# Altium PCB BG1094.PcbDoc (part 1 of 2) (continued)
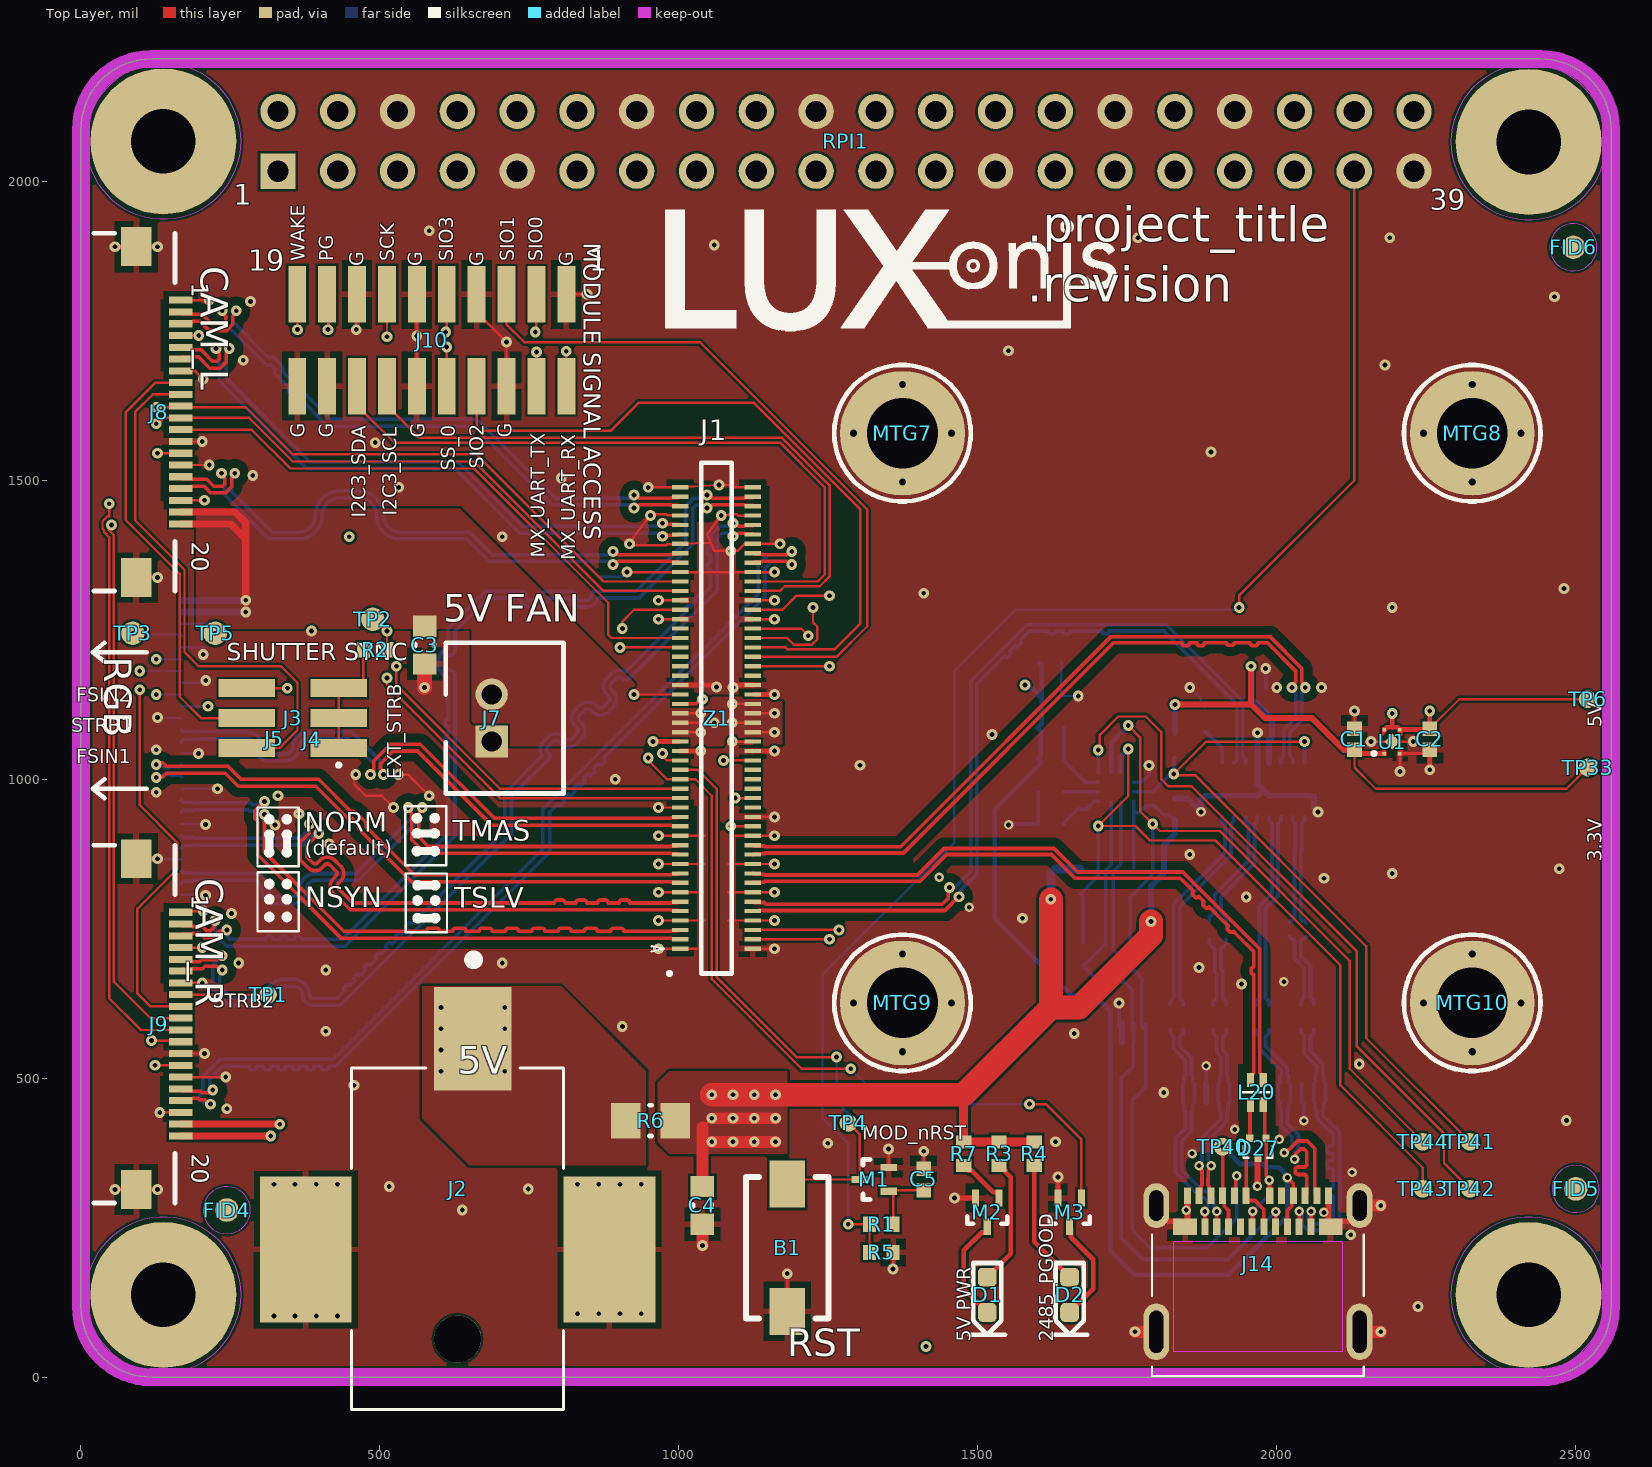
[diagram p0: Top Layer view]
## Components (designator, comment, footprint, x,y, rotation, side; value= is the part's Value field where it differs from the comment) (continued)
U1 "TLV707 LDO" DFN65P100X40-4L 2192.91,1062.99 r90 top
U61 "HD3SS3212RKSR" VQFN-20 1977.36,982.28 r270 bottom
U62 "TUSB321RWBR" X2QFN-12 1730.9,987.2 r0 bottom
Z1 "Layout guide" BW1099_FOOTPRINT 1062.99,1102.36 r180 top locked

## Footprints (in the part's own frame and the unit in brackets; to place one, negate y for a bottom-side part, rotate by r counter-clockwise, add the part's x,y. Pads: shape width x height; smd on the part's side, far side on the other; paste and mask are expansions set on the pad)
54550-2671 [mm] "26pin Molex FFC 0.5mm TOP"
  rect 0.3x1 smd: 1(-6.241,0.272) 2(-5.741,0.272) 3(-5.241,0.272) 4(-4.741,0.272) 5(-4.241,0.272) 6(-3.741,0.272) 7(-3.241,0.272) 8(-2.741,0.272) 9(-2.241,0.272) 10(-1.741,0.272) 11(-1.241,0.272) 12(-0.741,0.272) 13(-0.241,0.272) 14(0.259,0.272) 15(0.759,0.272) 16(1.259,0.272) 17(1.759,0.272) 18(2.259,0.272) 19(2.759,0.272) 20(3.259,0.272) 21(3.759,0.272) 22(4.259,0.272) 23(4.759,0.272) 24(5.259,0.272) 25(5.759,0.272) 26(6.259,0.272)
  rect 1.65x1.3 smd: MP1(-8.516,-1.628) MP2(8.534,-1.628)
  silkscreen extent -9.09,-3.43 9.11,0, body extent -9.1,-4.55 9.1,0.45, height 1.2
20021121-00020T1LF [mm] "20pin SMT Minitek127 1.27mm pitch"
  rect 0.76x2.4 smd: 1(-5.715,-1.95) 1(-5.715,-1.95) 2(-5.715,1.95) 2(-5.715,1.95) 3(-4.445,-1.95) 4(-4.445,1.95) 5(-3.175,-1.95) 6(-3.175,1.95) 7(-1.905,-1.95) 8(-1.905,1.95) 9(-0.635,-1.95) 10(-0.635,1.95) 11(0.635,-1.95) 12(0.635,1.95) 13(1.905,-1.95) 14(1.905,1.95) 15(3.175,-1.95) 16(3.175,1.95) 17(4.445,-1.95) 18(4.445,1.95) 19(5.715,-1.95) 20(5.715,1.95)
  body extent -6.35,-2.75 6.35,2.75, height 4.55
545482071 [mm] "20pin Molex FFC 0.5mm"
  rect 0.3x1 smd: 1(-4.75,0.25) 2(-4.25,0.25) 3(-3.75,0.25) 4(-3.25,0.25) 5(-2.75,0.25) 6(-2.25,0.25) 7(-1.75,0.25) 8(-1.25,0.25) 9(-0.75,0.25) 10(-0.25,0.25) 11(0.25,0.25) 12(0.75,0.25) 13(1.25,0.25) 14(1.75,0.25) 15(2.25,0.25) 16(2.75,0.25) 17(3.25,0.25) 18(3.75,0.25) 19(4.25,0.25) 20(4.75,0.25)
  rect 1.65x1.3 smd: MP1(-7.025,-1.65) MP2(7.025,-1.65)
  silkscreen extent -7.6,-3.45 7.6,0, body extent -7.6,-4.55 7.6,0.45, height 1.18
*JST_B2B-PH-K-S(LF)(SN) [mm]
  rect 1.368x1.368 hole 0.86: P1(1,-0.55)
  round 1.368 hole 0.86: P2(-1,-0.55)
  silkscreen extent -3.2,-2.5 3.2,2.5, body extent -2.95,-2.25 2.95,2.25, height 6
BW1099_FOOTPRINT [mil] "Graphical/Mechanical footprint for BW1099"
  body extent -1378,-591 197,591, height 831
CAPC0201(0603)33_L [mm] "Chip Capacitor, Body 0.6x0.3mm, Height 0.33mm, IPC High Density"
  rect 0.36x0.32 smd: 1(-0.28,0) 2(0.28,0)
  body extent -0.32,-0.17 0.32,0.17, height 0.33
CAPC0402(1005)70_N [mm] "Chip Capacitor, Body 1.0x0.5mm, Height 0.7mm, IPC Medium Density"
  rect 0.62x0.62 smd: 1(-0.45,0) 2(0.45,0)
  body extent -0.55,-0.3 0.55,0.3, height 0.7
CAPC0603(1608)100_N [mm] "Chip Capacitor, Body 1.6x0.8mm, Height 1.0mm, IPC Medium Density"
  rect 0.9x1 smd: 1(-0.8,0) 2(0.8,0)
  silkscreen extent -0.05,-0.4 0.05,0.4, body extent -0.87,-0.48 0.88,0.47, height 1
CHOKE_0504 [mm] "Diff pair choke such as Murata DLP11TB800UL2L"
  rect 0.6x0.3 smd: 1(-0.525,-0.275) 2(0.525,-0.275) 3(-0.525,0.275) 4(0.525,0.275)
  silkscreen extent 0,-0.6 0,0.6, body extent -0.7,-0.6 0.7,0.6, height 0.35
con-20021121-00006C4LF [mm]
  rect 0.76x2.4 smd: 1(-1.27,-1.95) 2(-1.27,1.95) 3(0,-1.95) 4(0,1.95) 5(1.27,-1.95) 6(1.27,1.95)
  silkscreen extent -2.03,-1.98 -1.97,-1.92, body extent -1.91,-2.75 1.91,2.75, height 4.1
CUI_PJ-036AH-SMT-TR [mm] "2.0 x 6.3 mm, 5.0 A, Horizontal, Surface Mount (SMT), Dc Power Jack Connector"
  rect 4.4x3.3 smd: 1(6.375,-0.65)
  rect 6.2x3.9 smd: 2(-2.575,6.45) 3(-2.575,-6.45)
  round 2 hole 2 unplated: ""(-6.375,0)
  silkscreen extent -9.37,-4.5 9.93,4.5, body extent -9.37,-7.6 7.73,7.6, height 11.05
DF40HC-3.0-100DS-0.4V_minpad [mm] "3.0MM MATED HEIGHT CONN HDR 100POS 0.4MM SMD GOLD"
  rect 0.7x0.18 smd: 1(1.54,9.8) 2(-1.54,9.8) 3(1.54,9.4) 4(-1.54,9.4) 5(1.54,9) 6(-1.54,9) 7(1.54,8.6) 8(-1.54,8.6) 9(1.54,8.2) 10(-1.54,8.2) 11(1.54,7.8) 12(-1.54,7.8) 13(1.54,7.4) 14(-1.54,7.4) 15(1.54,7) 16(-1.54,7) 17(1.54,6.6) 18(-1.54,6.6) 19(1.54,6.2) 20(-1.54,6.2) 21(1.54,5.8) 22(-1.54,5.8) 23(1.54,5.4) 24(-1.54,5.4) 25(1.54,5) 26(-1.54,5) 27(1.54,4.6) 28(-1.54,4.6) 29(1.54,4.2) 30(-1.54,4.2) 31(1.54,3.8) 32(-1.54,3.8) 33(1.54,3.4) 34(-1.54,3.4) 35(1.54,3) 36(-1.54,3) 37(1.54,2.6) 38(-1.54,2.6) 39(1.54,2.2) 40(-1.54,2.2) 41(1.54,1.8) 42(-1.54,1.8) 43(1.54,1.4) 44(-1.54,1.4) 45(1.54,1) 46(-1.54,1) 47(1.54,0.6) 48(-1.54,0.6) 49(1.54,0.2) 50(-1.54,0.2) 51(1.54,-0.2) 52(-1.54,-0.2) 53(1.54,-0.6) 54(-1.54,-0.6) 55(1.54,-1) 56(-1.54,-1) 57(1.54,-1.4) 58(-1.54,-1.4) 59(1.54,-1.8) 60(-1.54,-1.8) 61(1.54,-2.2) 62(-1.54,-2.2) 63(1.54,-2.6) 64(-1.54,-2.6) 65(1.54,-3) 66(-1.54,-3) 67(1.54,-3.4) 68(-1.54,-3.4) 69(1.54,-3.8) 70(-1.54,-3.8) 71(1.54,-4.2) 72(-1.54,-4.2) 73(1.54,-4.6) 74(-1.54,-4.6) 75(1.54,-5) 76(-1.54,-5) 77(1.54,-5.4) 78(-1.54,-5.4) 79(1.54,-5.8) 80(-1.54,-5.8) 81(1.54,-6.2) 82(-1.54,-6.2) 83(1.54,-6.6) 84(-1.54,-6.6) 85(1.54,-7) 86(-1.54,-7) 87(1.54,-7.4) 88(-1.54,-7.4) 89(1.54,-7.8) 90(-1.54,-7.8) 91(1.54,-8.2) 92(-1.54,-8.2) 93(1.54,-8.6) 94(-1.54,-8.6) 95(1.54,-9) 96(-1.54,-9) 97(1.54,-9.4) 98(-1.54,-9.4) 99(1.54,-9.8) 100(-1.54,-9.8)
  silkscreen extent -0.65,-10.85 2.75,10.88, body extent -1.69,-11.31 1.69,11.29, height 17.52
DFN65P100X40-4L [mm] "DFN, 4-Leads, Body 1.00x1.00mm, Pitch 0.65mm, IPC High Density"
  rect 0.15x0.15 smd mask+0: 1(-0.51,0.33) 2(-0.51,-0.33) 3(0.51,-0.33)
  rect 0.15x0.15 smd paste+0 mask+0: 4(0.51,0.33)
  rect 0.48x0.48 smd rot 45 mask+0.05: 5(0,0)
  Top Layer region: 0.25,-0.43 0.61,-0.43 0.61,-0.22 0.43,-0.22 0.25,-0.4
  Top Layer region: -0.25,0.43 -0.61,0.43 -0.61,0.22 -0.43,0.22 -0.25,0.4
  Top Layer region: -0.25,-0.43 -0.61,-0.43 -0.61,-0.22 -0.43,-0.22 -0.25,-0.4
  Top Layer region: 0.25,0.43 0.61,0.43 0.61,0.22 0.43,0.22 0.25,0.4
  Top Layer region: 0.036,0.777
  silkscreen extent -0.54,0.75 -0.48,0.8, body extent -0.5,-0.5 0.5,0.5, height 0.34
DQA-10 [mm]
  rect 0.3x0.55 smd mask+0.05: 1(-1,-0.39) 2(-0.5,-0.39) 4(0.5,-0.39) 5(1,-0.39) 6(1,0.39) 7(0.5,0.39) 9(-0.5,0.39) 10(-1,0.39)
  rect 0.4x0.55 smd mask+0.05: 3(0,-0.39) 8(0,0.39)
  silkscreen extent -1.33,-1.01 1.3,0.55, body extent -1.2,-0.71 1.2,0.71, height 0.25
DTSM32N [mm]
  rect 2x1.5 smd: 1(-2.7,0) 2(2.7,0)
  silkscreen extent -3.01,-1.76 2.99,1.74, body extent -3.65,-1.75 3.65,1.75, height 5
FIDUCIAL_1MM [mm]
  round 1 smd paste-1 mask+0.5: 1(0,0)
  Top Layer keep-out circle w0.025: c0,0 r1
HDR_SHUNT_1.27MM [mil] "Shunt for 1.27mm headers"
  body extent -49,-30 49,30, height 177
LED_0603 [mm] "Body: 1.6 x 0.8mm, based on HSMx-C190 , C191, & C197 from Avago (Broadcom)"
  rrect50% 0.8x0.8 smd mask+0.05: 1(-0.75,0) 2(0.75,0)
  silkscreen extent -1.7,-0.75 1.35,0.75, body extent -0.8,-0.4 0.8,0.4, height 0.6
Molex_105450-0101 [mm]
  rect 0.3x0.7 smd mask+0.05: A1(-3,0.65) A2(-2.5,0.65) A3(-2,0.65) A4(-1.5,0.65) A5(-1,0.65) A6(-0.5,0.65) A7(0.5,0.65) A8(1,0.65) A9(1.5,0.65) A10(2,0.65) A11(2.5,0.65) A12(3,0.65) B2(2.25,-0.65) B3(1.75,-0.65) B4(1.25,-0.65) B5(0.75,-0.65) B6(0.25,-0.65) B7(-0.25,-0.65) B8(-0.75,-0.65) B9(-1.25,-0.65) B10(-1.75,-0.65) B11(-2.25,-0.65)
  rect 1x0.7 smd mask+0.05: B1(3.1,-0.65) B12(-3.1,-0.65)
  oval 1.1x1.9 hole 0.6 slot 1.3 at 90 deg mask+0.05: SH1(-4.32,0.24) SH4(4.32,0.24)
  oval 1.1x2.4 hole 0.6 slot 1.8 at 90 deg mask+0.05: SH2(-4.32,-5.12) SH3(4.32,-5.12)
  Top Layer keep-out region: -3.6,-5.95 3.6,-5.95 3.6,-1.3 -3.6,-1.3
  silkscreen extent -4.5,-7 4.5,-1, body extent -4.47,-7.02 4.47,0.88, height 3.2
RESC0402(1005)_N [mm] "Chip Resistor, Body 1.0x0.5mm, IPC Medium Density"
  rect 0.55x0.65 smd: 1(-0.5,0) 2(0.5,0)
  body extent -0.52,-0.27 0.53,0.28, height 0.4
RESC0805(2012)_M [mm] "Chip Resistor, Body 2.0x1.3mm, IPC Low Density"
  rect 1.25x1.5 smd: 1(-1.05,0) 2(1.05,0)
  silkscreen extent -0.05,-0.65 0.05,0.65, body extent -1.1,-0.67 1.1,0.67, height 0.7
RPI-HAT-40-SOCKET [mm] "Female Socket for Pi HAT w/ Tall pins for allowing connections on top"
  rect 1.5x1.5 hole 0.9: 1(24.13,1.27)
  round 1.5 hole 0.9: 2(24.13,-1.27) 3(21.59,1.27) 4(21.59,-1.27) 5(19.05,1.27) 6(19.05,-1.27) 7(16.51,1.27) 8(16.51,-1.27) 9(13.97,1.27) 10(13.97,-1.27) 11(11.43,1.27) 12(11.43,-1.27) 13(8.89,1.27) 14(8.89,-1.27) 15(6.35,1.27) 16(6.35,-1.27) 17(3.81,1.27) 18(3.81,-1.27) 19(1.27,1.27) 20(1.27,-1.27) 21(-1.27,1.27) 22(-1.27,-1.27) 23(-3.81,1.27) 24(-3.81,-1.27) 25(-6.35,1.27) 26(-6.35,-1.27) 27(-8.89,1.27) 28(-8.89,-1.27) 29(-11.43,1.27) 30(-11.43,-1.27) 31(-13.97,1.27) 32(-13.97,-1.27) 33(-16.51,1.27) 34(-16.51,-1.27) 35(-19.05,1.27) 36(-19.05,-1.27) 37(-21.59,1.27) 38(-21.59,-1.27) 39(-24.13,1.27) 40(-24.13,-1.27)
  body extent -25.7,-2.5 25.7,2.5, height 6.49
SOT-3 [mm]
  rect 0.3x0.3 smd mask+0.05: 1(-0.35,-0.425) 2(0.35,-0.425) 3(0,0.425)
  silkscreen extent -0.6,-0.1 0.6,0.4, body extent -0.6,-0.43 0.6,0.43, height 1
SOT-416FL [mm]
  rect 0.3x0.71 smd: 1(-0.5,-0.61) 2(0.5,-0.61) 3(0,0.61)
  silkscreen extent -0.85,0.18 0.85,0.48, body extent -0.95,-1.06 0.95,1.06, height 0.25
STANDOFF_M2X0.4_3MM [mm] "SMD standoff, such as 9774030243R by Wurth"
  round 5.3 hole 3 unplated mask+0.05: 1(0,0)
  silkscreen extent -2.9,-2.9 2.9,2.9, body extent -2.17,-2.17 2.18,2.17, height 3.05
TP100_200_NS [mm] "1mm dia pad, 2mm dia clearance, no silk screen"
  round 1 smd paste-2: 1(0,0)
TP_0.75MM_SMD_NO-SILK#1 [mm] "general purpose test point"
  round 0.75 smd paste-2: 1(0,0)
TP_0.75MM_SMD_NO-SILK#2 [mm] "general purpose test point"
  round 0.75 smd: 1(0,0)
VQFN-20 [mm]
  rrect20% 0.25x0.6 smd mask+0.035: 1(-0.25,2.15) 10(-0.25,-2.15) 11(0.25,-2.15) 20(0.25,2.15)
  rrect20% 0.6x0.25 smd mask+0.035: 2(-1.15,1.75) 3(-1.15,1.25) 4(-1.15,0.75) 5(-1.15,0.25) 6(-1.15,-0.25) 7(-1.15,-0.75) 8(-1.15,-1.25) 9(-1.15,-1.75) 12(1.15,-1.75) 13(1.15,-1.25) 14(1.15,-0.75) 15(1.15,-0.25) 16(1.15,0.25) 17(1.15,0.75) 18(1.15,1.25) 19(1.15,1.75)
  rrect10% 1x3 smd paste-3 mask+0.035: 21(0,0)
  silkscreen extent -1.25,-2.25 1.25,2.63, body extent -1.25,-2.25 1.25,2.25, height 1
X2QFN-12 [mm]
  rrect10% 0.2x0.7 smd mask+0.05: 1(0.2,0.65) 2(-0.2,0.65) 7(-0.2,-0.65) 8(0.2,-0.65)
  rrect10% 0.5x0.2 smd mask+0.05: 3(-0.75,0.6) 4(-0.75,0.2) 5(-0.75,-0.2) 6(-0.75,-0.6) 9(0.75,-0.6) 10(0.75,-0.2) 11(0.75,0.2) 12(0.75,0.6)
  silkscreen extent 0.7,1.17 0.75,1.23, body extent -0.8,-0.8 0.8,0.8, height 0.4

## Part data
B1: library part SW-PB, "Tact Switch", DIST=Farnell, DIST PN=1868029, ICCO PN=M1V00020, MAN=Wurth, MAN PN="434 113 050 826"
C1 C73 C74 C76 C207: library part CAP, "SMD Multilayer Ceramic Capacitor, 0402 [1005 Metric], 10 µF, 6.3 V, ± 20%, X5R", DIST=Farnell, DIST PN=2218854RL, ICCO PN=MV226007, MAN=MuRata, MAN PN=GRM155R60J106ME44D
C2: library part CL05A105KP5NNNC, "Cap Ceramic 1uF 10V X5R 10% SMD 0402 85C Paper T/R", Capacitance=1uF, Case/Package=0402, Case Code (Metric)=1005, Dielectric=X5R, Manufacturer=Samsung, Max Operating Temperature=85°C, Min Operating Temperature=-55°C, Package Quantity=1, Tolerance=10%, Voltage Rating=10V, Case Code (Imperial)=0402, ComponentLink1Description=https://datasheet.ciiva.com/15195/getdatasheetpartid-358390-15195630.pdf?src-supplier=Verical, ComponentLink1URL=https://datasheet.ciiva.com/15195/getdatasheetpartid-358390-15195630.pdf?src-supplier=Verical, ComponentLink2Description=https://datasheet.ciiva.com/29198/459159-da-01-en-vs-kondensator-0402-29198341.pdf?src-supplier=Conrad, ComponentLink2URL=https://datasheet.ciiva.com/29198/459159-da-01-en-vs-kondensator-0402-29198341.pdf?src-supplier=Conrad, Contact Plating=Tin, Depth=0.5mm, Height=0.5mm, Length=1mm, Manufacturer Part Number=CL05A105KP5NNNC, Material=Ceramic, Mount="Surface Mount", Packaging="Tape and Reel", Pricing 1="1 = 0.10000, 10 = 0.04200, 100 = 0.01880, 500 = 0.01340, 1000 = 0.01053, 2500 = 0.00958, 5000 = 0.00881 (USD)", Radiation Hardening=No, RoHS=Yes, Stock 1=13690251, Supplier 1=Digi-Key, Thickness=0.022inch, Width=0.02inch
C3 C4: library part GRM188R61A226ME15D
C5: library part !CAP, "0.1uF 10V X7R 10% Pad SMD 0402 125C T/R", Capacitance=100nF, Case/Package=0402, Case Code (Metric)=1005, Dielectric=X7R, Manufacturer 1=Murata, Manufacturer Part Number 1=GRM155R71A104KA01D, Max Operating Temperature=125°C, Min Operating Temperature=-55°C, Package Quantity=1, Supplier Part Number 1=490-6321-1-ND, Tolerance=10%, Voltage=10V, Case Code (Imperial)=0402, ComponentLink1Description=https://datasheet.ciiva.com/18184/getdatasheetpartid-130330-18184636.pdf?src-supplier=Verical, ComponentLink1URL=https://datasheet.ciiva.com/18184/getdatasheetpartid-130330-18184636.pdf?src-supplier=Verical, ComponentLink2Description=https://datasheet.ciiva.com/7937/1747441-7937613.pdf?src-supplier=Element14, ComponentLink2URL=https://datasheet.ciiva.com/7937/1747441-7937613.pdf?src-supplier=Element14, ComponentLink3Description=https://datasheet.ciiva.com/6271/product-6271137.pdf?src-supplier=Digi-Key, ComponentLink3URL=https://datasheet.ciiva.com/6271/product-6271137.pdf?src-supplier=Digi-Key, ComponentLink4Description=https://datasheet.ciiva.com/11789/0900766b80ef921d-11789061.pdf?src-supplier=RSComponents, ComponentLink4URL=https://datasheet.ciiva.com/11789/0900766b80ef921d-11789061.pdf?src-supplier=RSComponents, ComponentLink5Description=https://datasheet.ciiva.com/19475/1856345-19475961.pdf?src-supplier=Jameco, ComponentLink5URL=https://datasheet.ciiva.com/19475/1856345-19475961.pdf?src-supplier=Jameco, ComponentLink6Description=https://datasheet.ciiva.com/16199/c02e-16199258.pdf?src-supplier=Future+Electronics, ComponentLink6URL=https://datasheet.ciiva.com/16199/c02e-16199258.pdf?src-supplier=Future+Electronics, ComponentLink7Description=https://datasheet.ciiva.com/6271/partnumbering-e-01-6271135.pdf?src-supplier=Digi-Key, ComponentLink7URL=https://datasheet.ciiva.com/6271/partnumbering-e-01-6271135.pdf?src-supplier=Digi-Key, Depth=0.5mm, Dissipation Factor=0.035%, Height=0.5mm, Lead Free="Lead Free", Length=1mm, Mount="Surface Mount", Number of Pins=2, Packaging="Tape and Reel", Pricing 1="1=0.10000, 10=0.03400, 100=0.01500, 500=0.01074, 1000=0.00844, 2500=0.00768, 5000=0.00706 (USD)", Radiation Hardening=No, REACH SVHC="No SVHC", RoHS=Yes, Stock 1=6982387, Supplier 1=Digi-Key, Termination=SMD/SMT, Thickness=0.022inch, Voltage Rating=10V, Voltage Rating (DC)=10V, Width=0.02inch
C208 C209 C211 C212: library part CAP, "SMD Multilayer Ceramic Capacitor, 0201 [0603 Metric], 0.1 µF, 6.3 V, ± 10%, X5R", B - Value=0.1uF, C - Notes="0201  0.1 µF, 6.3 V, ± 10%, X5R", D - my Footprint=CurrentFootprint, E - MFG=MuRata, F - MFG P/N=GRM033R60J104KE19D
D1: library part LED_RED_0603, "LED RED DIFFUSED 0603 SMD", Case/Package=0603, Case Code (Metric)=1608, Color=Red, Forward Current=20mA, Forward Voltage=2.2V, Lens Color=White,Clear,Diffused, Manufacturer 1=Rohm, Manufacturer Part Number 1=SML-D12U8WT86, Max Operating Temperature=85°C, Min Operating Temperature=-40°C, Package Quantity=1, Supplier Part Number 1=511-1580-1-ND, Case Code (Imperial)=0603, ComponentLink1Description=https://datasheet.ciiva.com/11774/0900766b80df3ada-11774020.pdf?src-supplier=RSComponents, ComponentLink1URL=https://datasheet.ciiva.com/11774/0900766b80df3ada-11774020.pdf?src-supplier=RSComponents, ComponentLink2Description=https://datasheet.ciiva.com/2110/sml-d1-2110375.pdf?src-supplier=Digi-Key, ComponentLink2URL=https://datasheet.ciiva.com/2110/sml-d1-2110375.pdf?src-supplier=Digi-Key, ComponentLink3Description=https://datasheet.ciiva.com/2110/sml-d1-2110376.pdf?src-supplier=Digi-Key, ComponentLink3URL=https://datasheet.ciiva.com/2110/sml-d1-2110376.pdf?src-supplier=Digi-Key, ComponentLink4Description=https://datasheet.ciiva.com/2110/sml-d1-2110377.pdf?src-supplier=Digi-Key, ComponentLink4URL=https://datasheet.ciiva.com/2110/sml-d1-2110377.pdf?src-supplier=Digi-Key, ComponentLink5Description=https://datasheet.ciiva.com/9324/sml-d1-9324826.pdf?src-supplier=Avnet, ComponentLink5URL=https://datasheet.ciiva.com/9324/sml-d1-9324826.pdf?src-supplier=Avnet, ComponentLink6Description=https://datasheet.ciiva.com/17420/sml-d1-17420939.pdf?src-supplier=Avnet+Europe, ComponentLink6URL=https://datasheet.ciiva.com/17420/sml-d1-17420939.pdf?src-supplier=Avnet+Europe, Dominant Wavelength=620nm, Height=0.65mm, Illumination Color=Red, Lead Free="Lead Free", Length=1.6mm, Lens Style=Rectangular,Diffused,Colorless, Lens Transparency=Diffused, Luminous Intensity=63mcd, Mount="Surface Mount", Number of LEDs=1, Number of Pins=2, Packaging="Tape and Reel", Pricing 1="1=0.33000, 10=0.23900, 100=0.11340, 500=0.07560, 1000=0.05922 (USD)", Radiation Hardening=No, REACH SVHC="No SVHC", RoHS=Yes, Stock 1=34516, Supplier 1=Digi-Key, Test Current=20mA, Viewing Angle=160°, Wavelength=620nm, Width=0.8mm
D2: library part LED_ORANGE_0603, "LED ORANGE DIFFUSED 0603 SMD", Case/Package=0603, Case Code (Metric)=1608, Color=Orange, Forward Current=20mA, Forward Voltage=2.2V, Lens Color=White, Manufacturer 1=Rohm, Max Operating Temperature=85°C, Min Operating Temperature=-40°C, Package Quantity=1, Supplier Part Number 1=511-1577-1-ND, Case Code (Imperial)=0603, ComponentLink1Description=https://datasheet.ciiva.com/2115/sml-d1-2115577.pdf?src-supplier=Digi-Key, ComponentLink1URL=https://datasheet.ciiva.com/2115/sml-d1-2115577.pdf?src-supplier=Digi-Key, ComponentLink2Description=https://datasheet.ciiva.com/2115/sml-d1-2115578.pdf?src-supplier=Digi-Key, ComponentLink2URL=https://datasheet.ciiva.com/2115/sml-d1-2115578.pdf?src-supplier=Digi-Key, ComponentLink3Description=https://datasheet.ciiva.com/3161/sml-d1-3161418.pdf?src-supplier=Avnet, ComponentLink3URL=https://datasheet.ciiva.com/3161/sml-d1-3161418.pdf?src-supplier=Avnet, ComponentLink4Description=https://datasheet.ciiva.com/16387/sml-d1-16387850.pdf?src-supplier=Future+Electronics, ComponentLink4URL=https://datasheet.ciiva.com/16387/sml-d1-16387850.pdf?src-supplier=Future+Electronics, ComponentLink5Description=https://datasheet.ciiva.com/2115/sml-d1-2115579.pdf?src-supplier=Digi-Key, ComponentLink5URL=https://datasheet.ciiva.com/2115/sml-d1-2115579.pdf?src-supplier=Digi-Key, ComponentLink6Description=https://datasheet.ciiva.com/17419/sml-d1-17419886.pdf?src-supplier=Avnet+Europe, ComponentLink6URL=https://datasheet.ciiva.com/17419/sml-d1-17419886.pdf?src-supplier=Avnet+Europe, Dominant Wavelength=605nm, Height=0.65mm, Illumination Color=Orange, Lead Free="Lead Free", Length=1.6mm, Lens Style=Diffused,Colorless,Rectangular, Lens Transparency=Diffused, Luminous Intensity=100mcd, Manufacturer Part Number 1=SML-D12D8WT86, Mount="Surface Mount", Number of LEDs=1, Number of Pins=2, Packaging="Tape and Reel", Pricing 1="1=0.33000, 10=0.23900, 100=0.11340, 500=0.07560, 1000=0.05922 (USD)", Radiation Hardening=No, REACH SVHC=Unknown, RoHS=Yes, Stock 1=29355, Supplier 1=Digi-Key, Test Current=20mA, Viewing Angle=160°, Wavelength=605nm, Width=0.8mm
D27: "DIODE, ESD, DUAL, USB3.0, SOT-3", D - my Footprint=CurrentFootprint, E - MFG=TI, F - MFG P/N=TPD2EUSB30ADRTR
D28 D29 D36: "TVS DIODE 3.6VWM 8.8VC 10USON", D - my Footprint=CurrentFootprint, E - MFG=TI, F - MFG P/N=TPD4E02B04DQAR
FID1 FID2 FID3 FID4 FID5 FID6: "Fiducial mark", MAN=Fiducial, MAN PN="No part on PCB"
J1: library part DF40HC(3.0)-100DS-0.4V_BW1099_G2, "CONN RCPT 100POS 0.4MM SMD GOLD", Manufacturer 1=Hirose, Manufacturer Part Number 1=DF40HC(3.0)-100DS-0.4V(51, Manufacturer Part Number 2=DF40HC(3.0)-100DS-0.4V(58), Package Quantity=1000, Supplier Part Number 1=798-DF40HC30100DS451, ComponentLink1Description=https://datasheet.ciiva.com/46636/ed-df40-20140305-46636517.pdf?src-supplier=Digi-Key, ComponentLink1URL=https://datasheet.ciiva.com/46636/ed-df40-20140305-46636517.pdf?src-supplier=Digi-Key, ComponentLink2Description=https://datasheet.ciiva.com/18562/ed-df40-20140305-18562189.pdf?src-supplier=Digi-Key, ComponentLink2URL=https://datasheet.ciiva.com/18562/ed-df40-20140305-18562189.pdf?src-supplier=Digi-Key, ComponentLink3Description=https://datasheet.ciiva.com/13559/ed-df40-20140305-13559540.pdf?src-supplier=Mouser, ComponentLink3URL=https://datasheet.ciiva.com/13559/ed-df40-20140305-13559540.pdf?src-supplier=Mouser, ComponentLink4Description=https://datasheet.ciiva.com/18562/ed-df40-20140305-18562462.pdf?src-supplier=Digi-Key, ComponentLink4URL=https://datasheet.ciiva.com/18562/ed-df40-20140305-18562462.pdf?src-supplier=Digi-Key, Connector Type=Receptacle, Contact Plating=Gold, Lead Free="Lead Free", Manufacturer 2=Hirose, Mated Stacking Height=3mm, Mount="Surface Mount", Number of Positions=100, Number of Rows=2, Packaging="Tape and Reel", Pitch=0.016inch, Pricing 1="1=2.54000, 10=2.26000, 25=2.07000, 50=2.07000, 100=1.98000, 250=1.79000, 500=1.65000, 1000=1.41000, 3000=1.32000, 6000=1.23000, 10000=1.23000 (USD)", Pricing 2="1=2.50000, 10=2.40000, 25=2.10000, 50=2.10000, 100=2.00000, 250=1.76000, 500=1.71000, 1000=1.45000, 2000=1.36000, 5000=1.31000, 10000=1.31000 (USD)", RoHS=Yes, Stock 1=2172, Stock 2=2078, Supplier 1=Mouser, Supplier 2=Mouser, Supplier Part Number 2=798-DF40HC30100DS458
J2: "2.0 x 6.3 mm, 5.0 A, Horizontal, Surface Mount (SMT), Dc Power Jack Connector", Case/Package=SMD/SMT, Color=Black, Current Rating=5A, Flammability Rating="UL94 V-0", Insulation Resistance=100MR, Manufacturer 1=CUI, Max Operating Temperature=85°C, Min Operating Temperature=-25°C, Package Quantity=1000, Supplier Part Number 1=CP-036AHPJCT-ND, Voltage Rating=24V, ComponentLink1Description=http://www.mouser.com/ds/2/670/pj-036ah-smt-516063.pdf?src-supplier=Mouser, ComponentLink1URL=http://www.mouser.com/ds/2/670/pj-036ah-smt-516063.pdf?src-supplier=Mouser, ComponentLink2Description=http://www.cui.com/Product/Resource/FuturePDF/PJ-036AH-SMT.pdf?src-supplier=Future+Electronics, ComponentLink2URL=http://www.cui.com/Product/Resource/FuturePDF/PJ-036AH-SMT.pdf?src-supplier=Future+Electronics, ComponentLink3Description=https://www.cui.com/product/resource/digikeypdf/pj-036ah-smt-tr.pdf?src-supplier=Digi-Key, ComponentLink3URL=https://www.cui.com/product/resource/digikeypdf/pj-036ah-smt-tr.pdf?src-supplier=Digi-Key, Connector Type=Jack, Contact Gender=Male, Contact Material=Brass, Contact Plating=Silver, Gender=Male, Housing Color=Black, Housing Material=Thermoplastic, Lead Free="Lead Free", Manufacturer Part Number 1=PJ-036AH-SMT-TR, Mount="Surface Mount", Number of Conductors=2, Orientation=Horizontal, Packaging="Tape and Reel", Pricing 1="1=1.39000, 10=1.26100, 25=1.18400, 50=1.13260, 100=1.08110 (USD)", RoHS=Yes, Shielding=Unshielded, Stock 1=14194, Supplier 1=Digi-Key, Termination=SMD/SMT
J3: library part HDR_2x3_1.27mm
J4 J5: library part HDR_Shunt_1.27mm, "CONN SHUNT 1.27MM BLACK (M50-1900005)", Manufacturer 1=Harwin, Manufacturer Part Number 1=M50-1900005
J6: library part 54550-2671, Contact Resistance=40mR, Current Rating=500mA, Flammability Rating="UL94 V-0", Housing Color=Natural, Manufacturer 1=Molex, Max Operating Temperature=85°C, Min Operating Temperature=-20°C, Package Quantity=750, Supplier Part Number 1=WM8809CT-ND, Voltage Rating=50V, Actuator Material=Polyphenylene, ComponentLink1Description=https://datasheet.ciiva.com/5136/0545502671-ffc-fpc-connectors-228748-5136548.pdf?src-supplier=Mouser, ComponentLink1URL=https://datasheet.ciiva.com/5136/0545502671-ffc-fpc-connectors-228748-5136548.pdf?src-supplier=Mouser, ComponentLink2Description=https://datasheet.ciiva.com/3925/24240545502671-ffc-fpc-nectors-3925432.pdf?src-supplier=Arrow, ComponentLink2URL=https://datasheet.ciiva.com/3925/24240545502671-ffc-fpc-nectors-3925432.pdf?src-supplier=Arrow, ComponentLink3Description=https://datasheet.ciiva.com/16659/0545502671-ffc-fpc-connectors-16659849.pdf?src-supplier=Avnet+Europe, ComponentLink3URL=https://datasheet.ciiva.com/16659/0545502671-ffc-fpc-connectors-16659849.pdf?src-supplier=Avnet+Europe, ComponentLink4Description=https://datasheet.ciiva.com/15177/getdatasheetpartid-704282-15177102.pdf?src-supplier=Verical, ComponentLink4URL=https://datasheet.ciiva.com/15177/getdatasheetpartid-704282-15177102.pdf?src-supplier=Verical, ComponentLink5Description=https://datasheet.ciiva.com/15245/285330545502671-ffc-fpc-nectors-15245807.pdf?src-supplier=Arrow+Europe, ComponentLink5URL=https://datasheet.ciiva.com/15245/285330545502671-ffc-fpc-nectors-15245807.pdf?src-supplier=Arrow+Europe, ComponentLink6Description=https://datasheet.ciiva.com/10366/0545502671-ffc-fpc-connectors-10366875.pdf?src-supplier=Avnet, ComponentLink6URL=https://datasheet.ciiva.com/10366/0545502671-ffc-fpc-connectors-10366875.pdf?src-supplier=Avnet, Contact Material=Bronze, Contact Plating=Gold, Depth=5mm, Housing Material=Polymer, Length=18.2mm, Manufacturer Part Number 1=54550-2671, Mating Cycles=20, Mount="Surface Mount", Number of Contacts=26, Number of Positions=26, Number of Rows=1, Orientation="Right Angle", Packaging="Tape and Reel", Pitch=0.5mm, Pricing 1="1=2.84000, 10=2.72700, 25=2.50000, 50=2.38620, 100=2.27260, 250=1.98852 (USD)", RoHS=Yes, Stock 1=6245, Supplier 1=Digi-Key, Supplier 2=Digi-Key, Supplier 3=Mouser, Supplier 4=Arrow, Supplier Part Number 2=WM8809TR-ND, Supplier Part Number 3=538-54550-2671, Supplier Part Number 4=54550-2671, Termination=Solder, Wire/Cable Type=Straight